# Altium PCB Autopilot_v0.PcbDoc
Units mm, origin at the board's own origin, x right, y up, seen from the top; angles counter-clockwise.
Board outline 100 x 60 mm, 4 copper layers (Top Layer, GROUND, POWER, Bottom Layer); 196 components, 216 nets, 937 pads, 0 vias.
Unrouted connection lines stored in the file: 617.
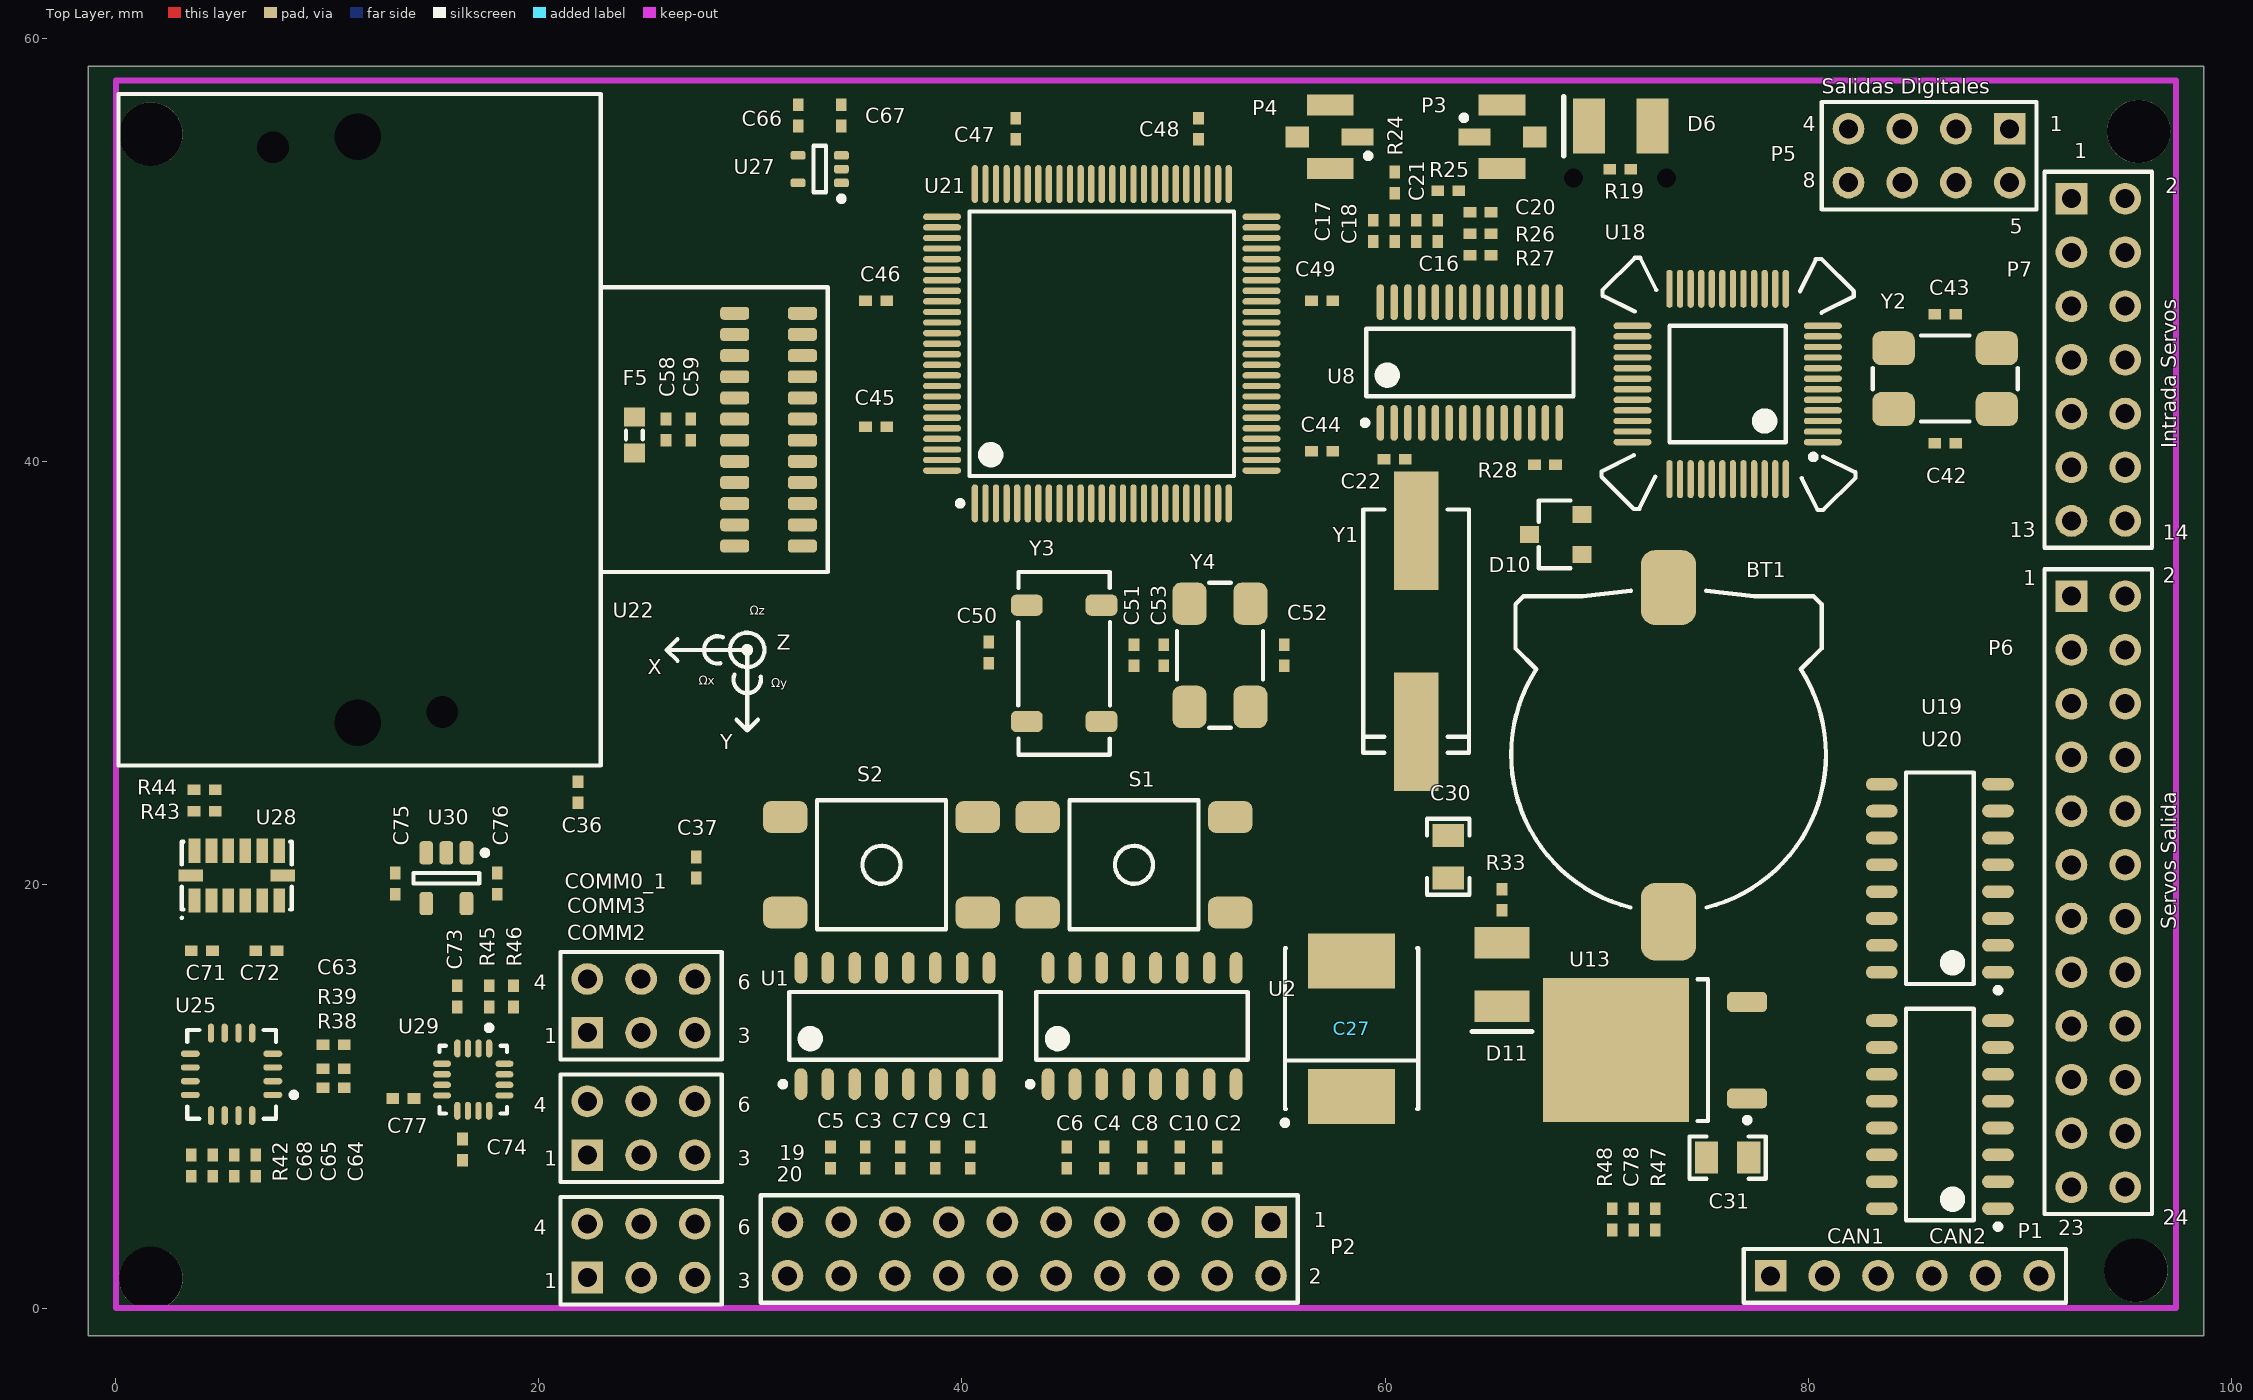
[diagram p0: Top Layer view]
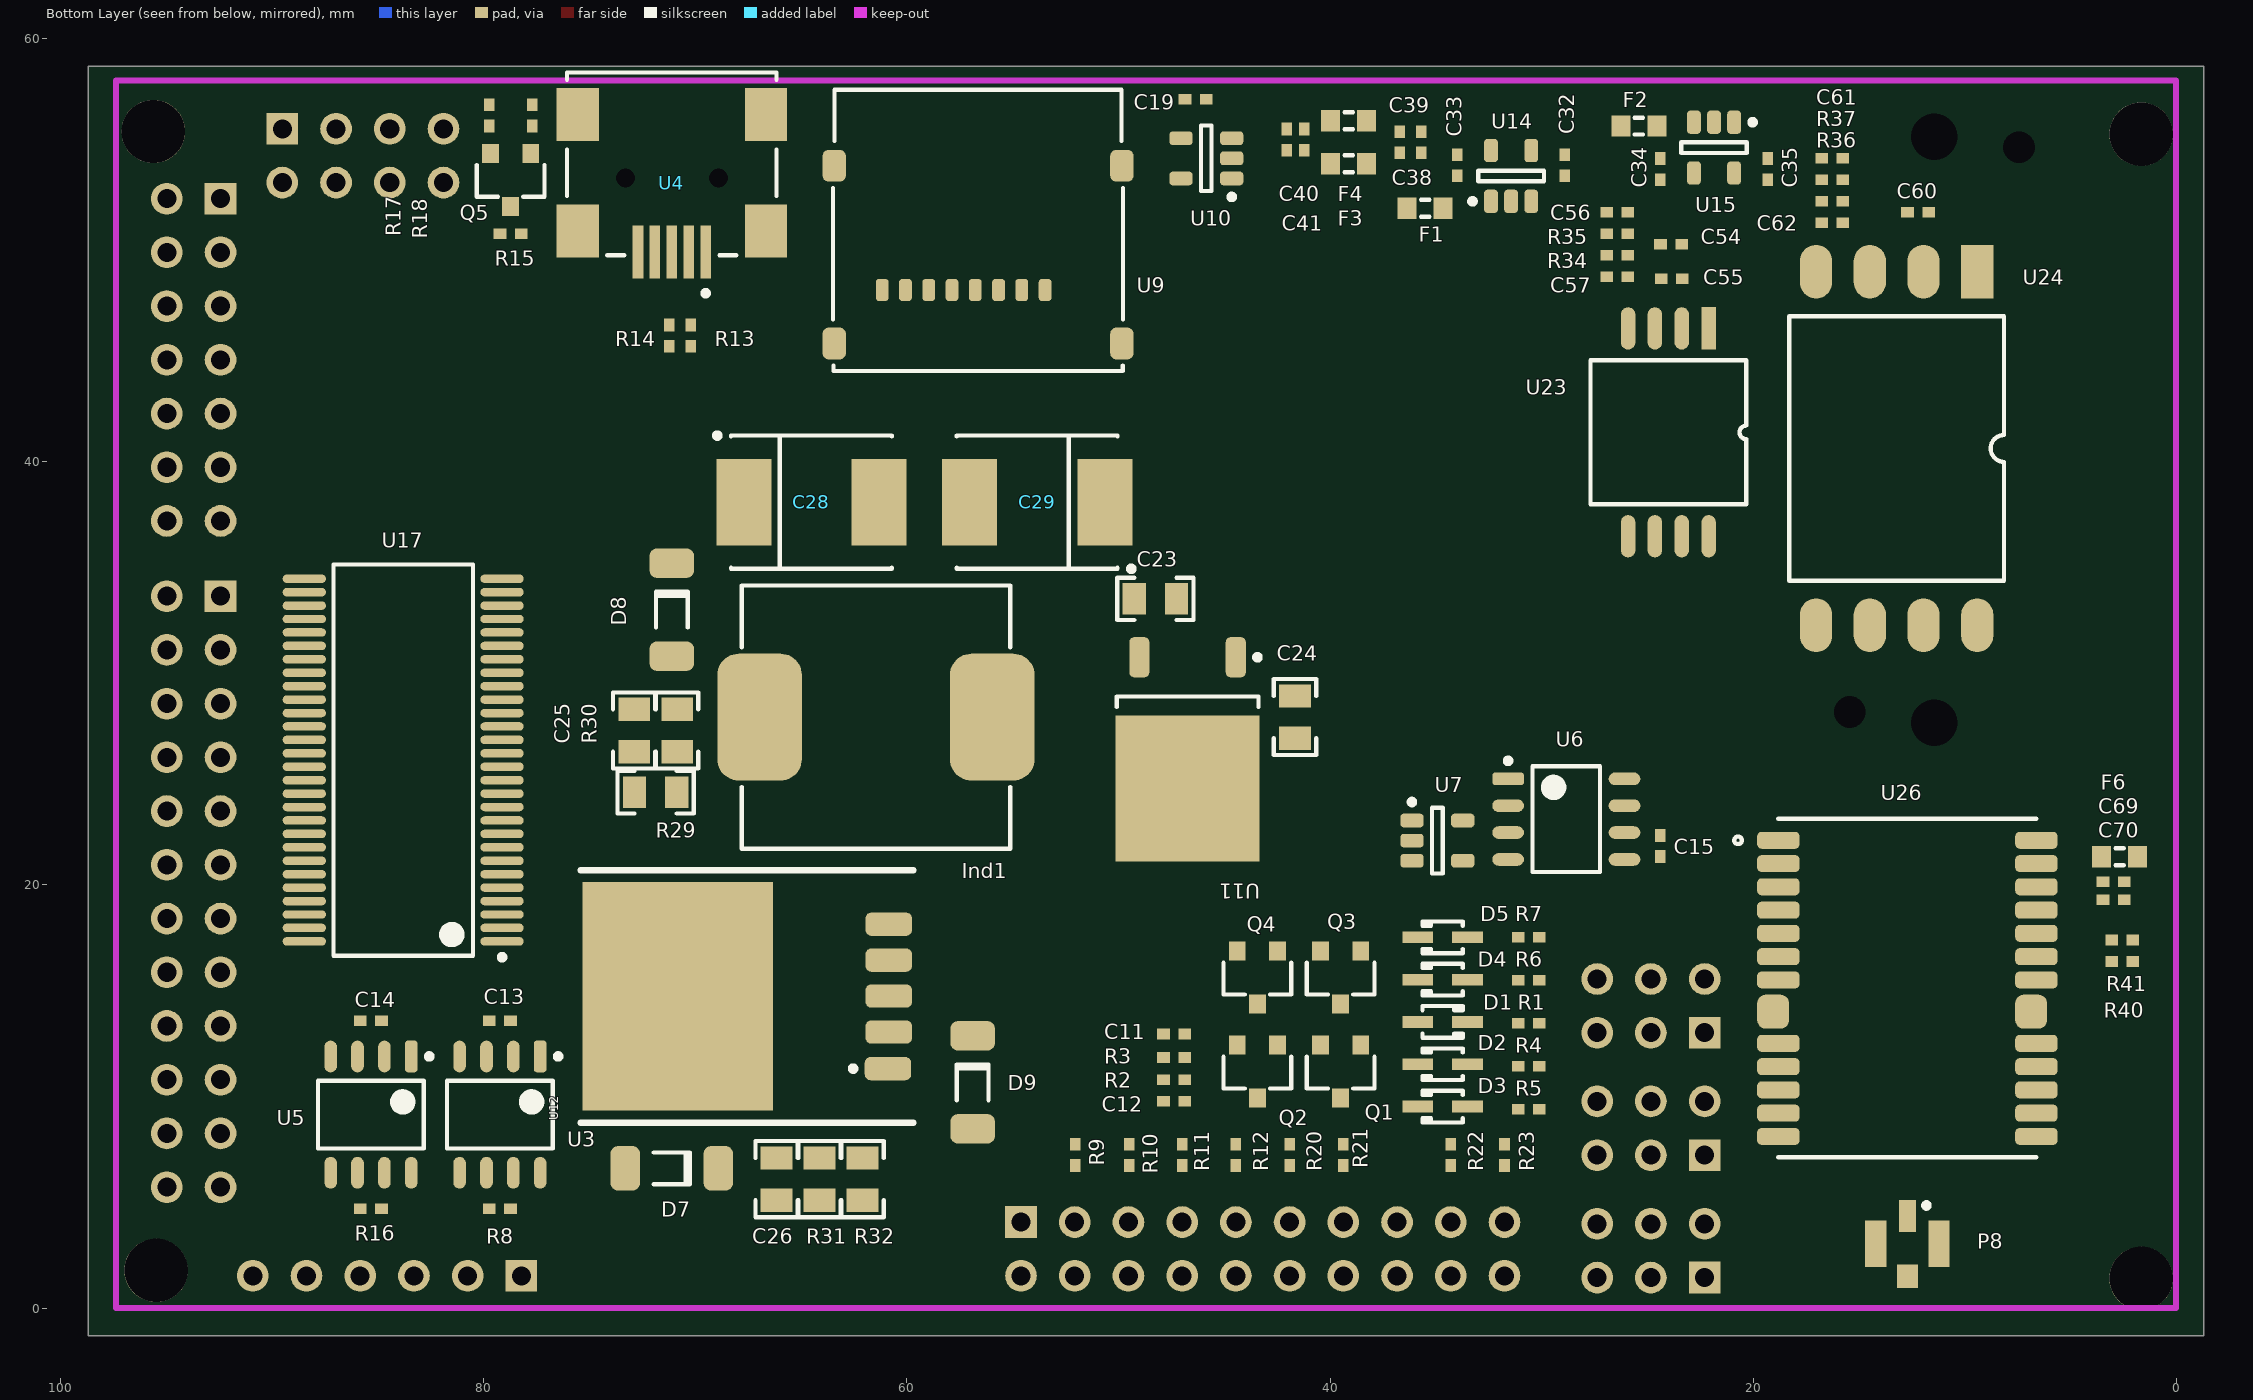
[diagram p1: Bottom Layer view, seen from below]
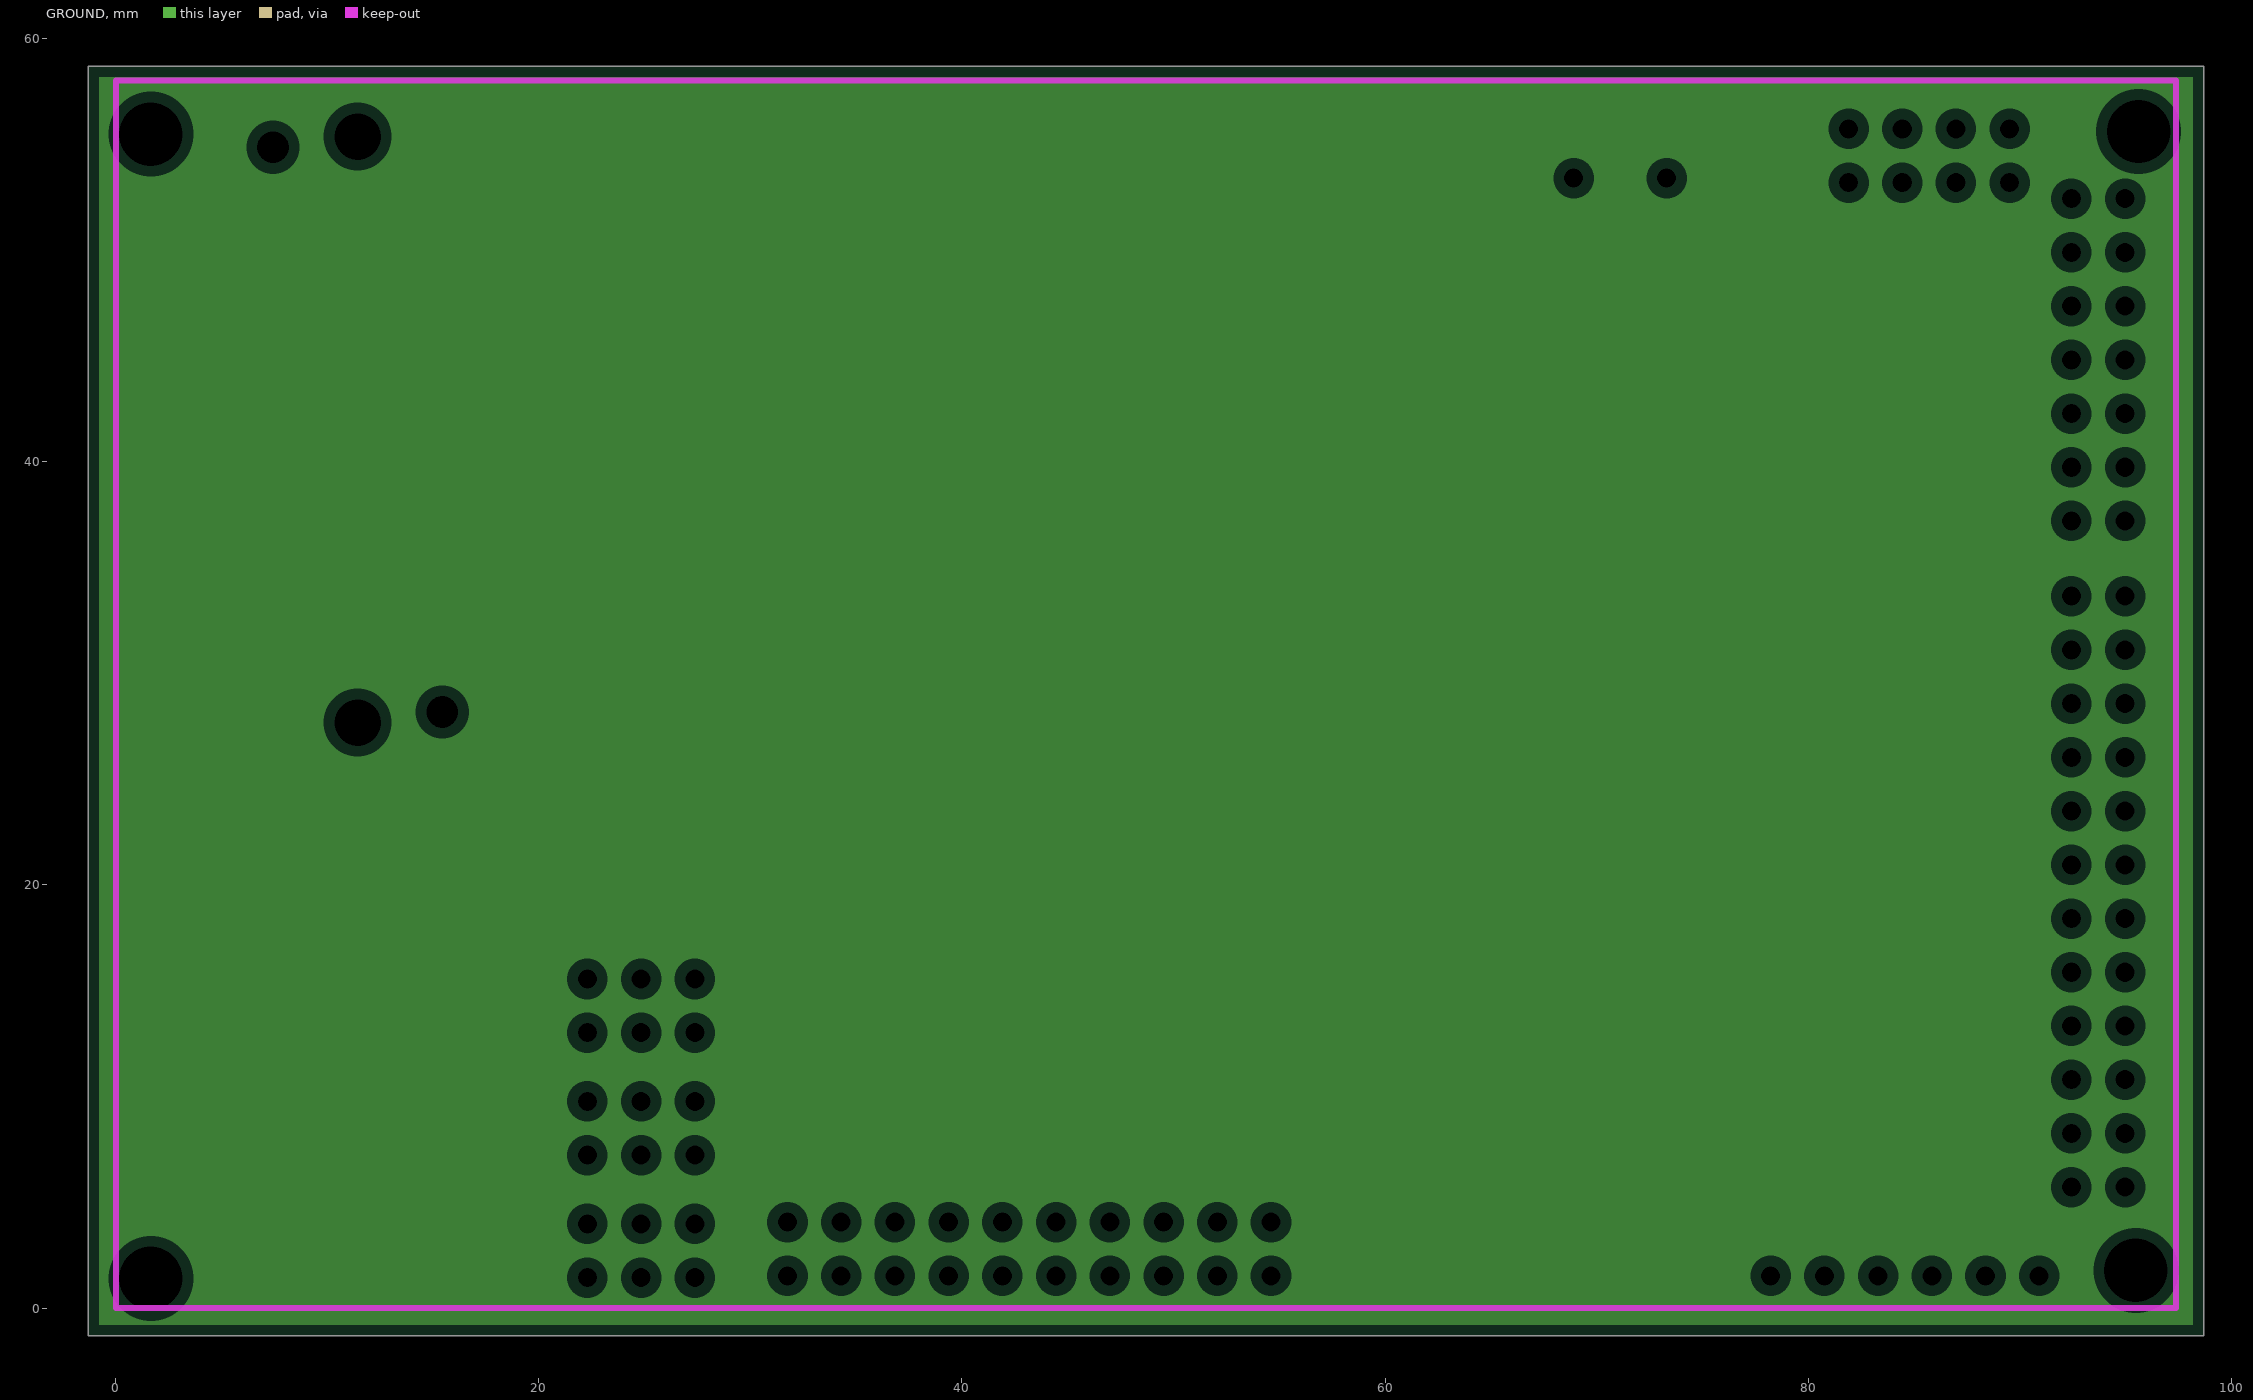
[diagram p2: GROUND, clearances drawn from the general rule]
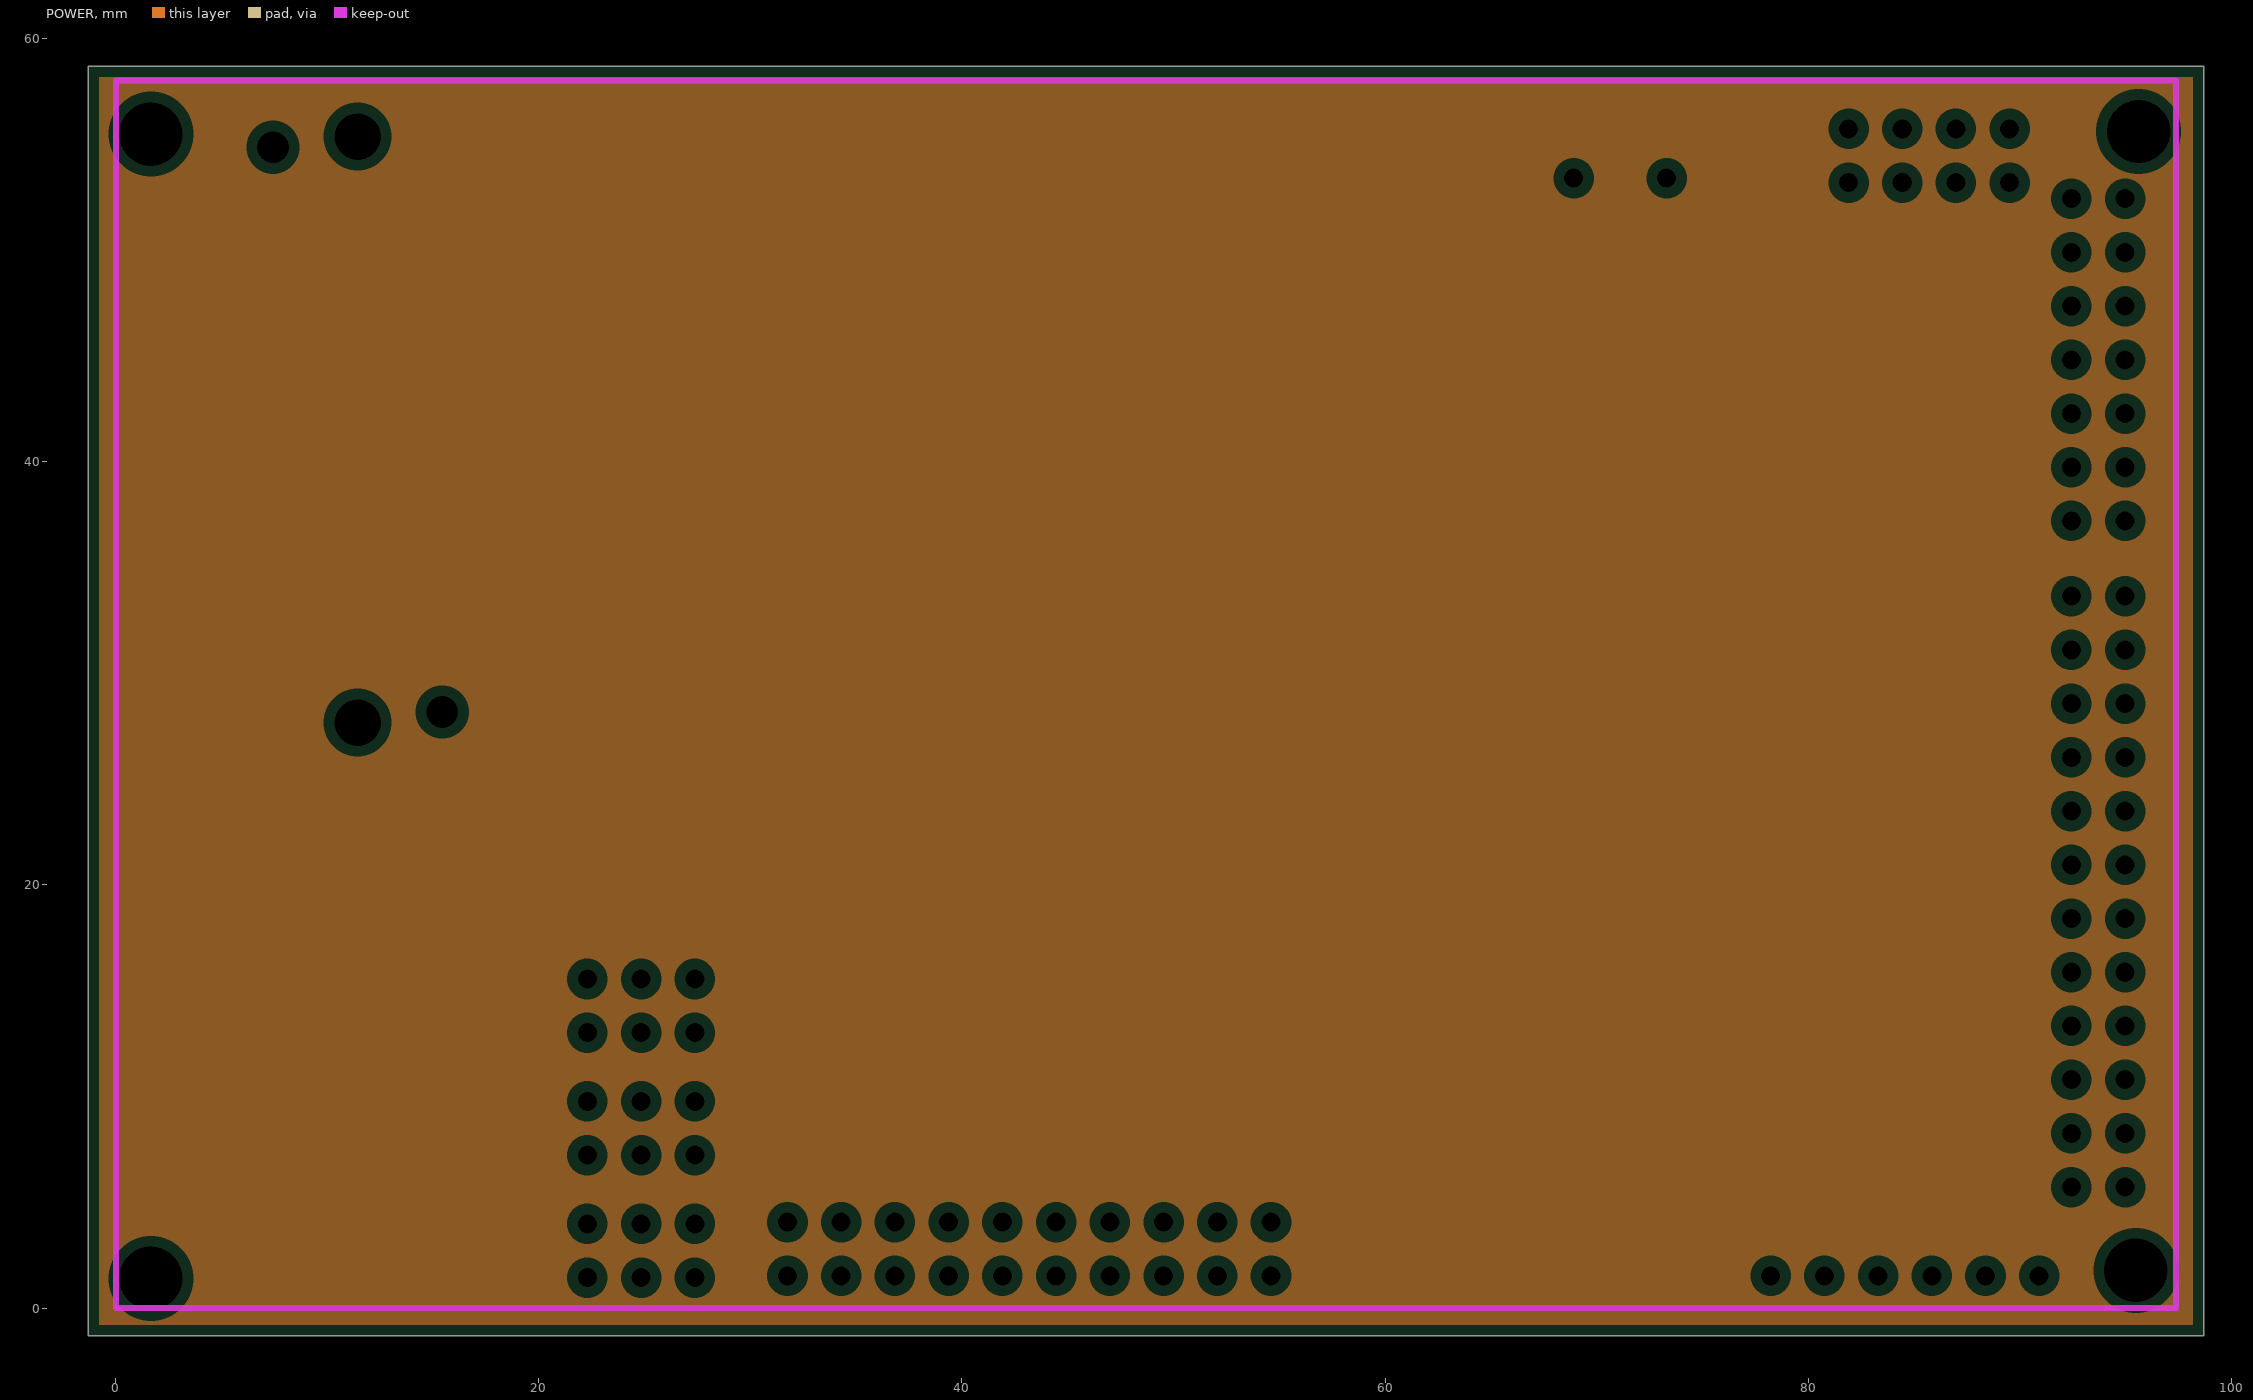
[diagram p3: POWER, clearances drawn from the general rule]

## Layer stack, top to bottom
Top Layer: signal copper 0.0356
Dielectric: core 0.32, FR-4, Dk 4.8
GROUND: plane copper 0.0356
Dielectric: prepreg 0.32, FR-4, Dk 4.8
POWER: plane copper 0.0356
Dielectric: core 0.32, FR-4, Dk 4.8
Bottom Layer: signal copper 0.0356

## Board outline
-1.3,-1.3 98.7,-1.3 98.7,58.7 -1.3,58.7

## Design rules (kind name [scope] priority, off if disabled: settings)
Clearance Clearance_HMC [(InComponent('U29') AND IsPad)] p1: gap=0.15
Clearance Clearance_ADXL [(InComponent('U28') AND IsPad) vs (InComponent('U28') AND IsPad)] p2: gap=0.15
Clearance "Pads LPC17" [(InComponent('U21') AND IsPad) vs (InComponent('U21') AND IsPad)] p3: gap=0.2
Clearance [All] p4: gap=0.2
PlaneClearance [All] p1: clearance=0.508
PlaneConnect [All] p1: planeconnectstyle=Direct reliefexpansion=0.508 reliefentries=4 reliefconductorwidth=0.254 reliefairgap=0.254
PolygonConnect [All] p1: connectstyle=Relief reliefconductorwidth=0.3 reliefentries=4 polygonreliefangle="90 Angle"
RoomDefinition Autopilot [InComponentClass('Components Class 1')] p1: confinementstyle=ConfineIn formatcopy=TRUE lockcomponents=TRUE outline -5.207,62.738 102.235,62.738 102.235,-4.826 -5.207,-4.826
RoutingVias [All] p1: holewidth=0.4 width=0.7 viastyle="Through Hole" minholewidth=0.4 minwidth=0.3 maxholewidth=1 maxwidth=3
SilkscreenOverComponentPads [All] p1: minsilkscreentomaskgap=0.254
SolderMaskExpansion [All] p1: expansion=0.102
Width [All] p1: maxlimit=3 minlimit=0.2 preferedwidth=1
25 further rules are at their usual default settings.

## Classes and differential pairs
component class Sensores: C54 C55 C56 C57 C58 C59 C60 C61 C62 C63 C64 C65 C66 C67 C68 C69 C70 C71 C72 C73 C74 C75 C76 C77 C78 F5 F6 P8 R34 R35 R36 R37 R38 R39 R40 R41 R42 R43 R44 R45 R46 R47 R48 U22 U23 U24 U25 U26 U27 U28 U29 U30
component class SensorDSC: C44 C45 C46 C47 C48 C49 C50 C51 C52 C53 U21 Y3 Y4
component class RC_Interface: C42 C43 P5 P6 P7 U17 U18 U19 U20 Y2
component class Power: BT1 C23 C24 C25 C26 C27 C28 C29 C30 C31 C32 C33 C34 C35 C36 C37 C38 C39 C40 C41 D7 D8 D9 D10 D11 F1 F2 F3 F4 Ind1 R29 R30 R31 R32 R33 U11 U12 U13 U14 U15 U16
component class "OSD y Memoria": C15 C16 C17 C18 C19 C20 C21 C22 P3 P4 R24 R25 R26 R27 R28 U6 U7 U8 U9 U10 Y1
component class Comunicaciones: C1 C2 C3 C4 C5 C6 C7 C8 C9 C10 C11 C12 C13 C14 COMM0_1 COMM2 COMM3 D1 D2 D3 D4 D5 D6 P1 P2 Q1 Q2 Q3 Q4 Q5 R1 R2 R3 R4 R5 R6 R7 R8 R9 R10 R11 R12 R13 R14 R15 R16 R17 R18 R19 R20 R21 R22 R23 S1 S2 U1 U2 U3 U4 U5

## Components (designator, comment, footprint, x,y, rotation, side; value= is the part's Value field where it differs from the comment)
BT1 "Battery" BC501SM 73.406,26.162 r90 top
C1 "Capacitor" CAP0402 40.386,7.112 r90 top
C2 "Capacitor" CAP0402 52.07,7.112 r90 top
C3 "Capacitor" CAP0402 35.433,7.112 r90 top
C4 "Capacitor" CAP0402 46.736,7.112 r90 top
C5 "Capacitor" CAP0402 33.782,7.112 r90 top
C6 "Capacitor" CAP0402 44.958,7.112 r90 top
C7 "Capacitor" CAP0402 37.084,7.112 r270 top
C8 "Capacitor" CAP0402 48.514,7.112 r90 top
C9 "Capacitor" CAP0402 38.735,7.112 r90 top
C10 "Capacitor" CAP0402 50.292,7.112 r90 top
C11 "Capacitor" CAP0402 47.371,12.954 r180 bottom
C12 "Capacitor" CAP0402 47.371,9.779 r180 bottom
C13 "Capacitor" CAP0402 79.248,13.589 r0 bottom
C14 "Capacitor" CAP0402 85.344,13.589 r0 bottom
C15 "Capacitor" CAP0402 24.384,21.844 r90 bottom
C16 "Capacitor" CAP0402 62.484,50.927 r90 top
C17 "Capacitor" CAP0402 59.436,50.927 r270 top
C18 "Capacitor" CAP0402 60.452,50.927 r270 top
C19 "Capacitor" CAP0402 46.355,57.15 r0 bottom
C20 "Capacitor" CAP0402 64.516,51.816 r180 top
C21 "Capacitor" CAP0402 61.468,50.927 r270 top
C22 "Capacitor" CAP0402 60.452,40.132 r0 top
C23 "Capacitor" 0805_CAP 48.26,33.528 r0 bottom
C24 "Capacitor" 0805_CAP 41.656,27.94 r90 bottom
C25 "Capacitor" 0805_CAP 72.898,27.305 r270 bottom
C26 "Capacitor" 0805_CAP 66.167,6.096 r90 bottom
C27 "Cap Pol2" TC7360-2924 58.42,13.208 r90 top
C28 "Cap Pol2" TC7360-2924 64.516,38.1 r180 bottom
C29 "Cap Pol2" TC7360-2924 53.848,38.1 r0 bottom
C30 "Capacitor" 0805_CAP 62.992,21.336 r90 top
C31 "Capacitor" 0805_CAP 76.2,7.112 r0 top
C32 "Capacitor" CAP0402 28.898,54.031 r270 bottom
C33 "Capacitor" CAP0402 33.978,54.031 r90 bottom
C34 "Capacitor" CAP0402 24.384,53.848 r90 bottom
C35 "Capacitor" CAP0402 19.304,53.848 r270 bottom
C36 "Capacitor" CAP0402 21.844,24.384 r270 top
C37 "Capacitor" CAP0402 27.432,20.828 r90 top
C38 "Capacitor" CAP0402 36.703,55.118 r270 bottom
C39 "Capacitor" CAP0402 35.687,55.118 r270 bottom
C40 "Capacitor" CAP0402 41.22,55.246 r270 bottom
C41 "Capacitor" CAP0402 42.037,55.245 r270 bottom
C42 "Capacitor" CAP0402 86.487,40.894 r180 top
C43 "Capacitor" CAP0402 86.487,46.99 r180 top
C44 "Capacitor" CAP0402 57.023,40.513 r180 top
C45 "Capacitor" CAP0402 35.941,41.656 r0 top
C46 "Capacitor" CAP0402 35.941,47.625 r0 top
C47 "Capacitor" CAP0402 42.545,55.753 r270 top
C48 "Capacitor" CAP0402 51.181,55.753 r270 top
C49 "Capacitor" CAP0402 57.023,47.625 r180 top
C50 "Capacitor" CAP0402 41.275,30.988 r90 top
C51 "Capacitor" CAP0402 48.133,30.861 r90 top
C52 "Capacitor" CAP0402 55.245,30.861 r270 top
C53 "Capacitor" CAP0402 49.53,30.861 r270 top
C54 "Capacitor" CAP0402 23.876,50.292 r180 bottom
C55 "Capacitor" CAP0402 23.846,48.671 r180 bottom
C56 "Capacitor" CAP0402 26.416,51.816 r0 bottom
C57 "Capacitor" CAP0402 26.416,48.768 r180 bottom
C58 "Capacitor" CAP0402 26.005,41.529 r90 top
C59 "Capacitor" CAP0402 27.178,41.529 r90 top
C60 "Capacitor" CAP0402 12.192,51.816 r180 bottom
C61 "Capacitor" CAP0402 16.256,54.356 r0 bottom
C62 "Capacitor" CAP0402 16.256,51.308 r180 bottom
C63 "Capacitor" CAP0402 10.287,12.446 r180 top
C64 "Capacitor" CAP0402 6.604,6.731 r90 top
C65 "Capacitor" CAP0402 5.588,6.731 r90 top
C66 "Capacitor" CAP0402 32.258,56.388 r270 top
C67 "Capacitor" CAP0402 34.29,56.388 r270 top
C68 "Capacitor" CAP0402 4.572,6.731 r90 top
C69 "Capacitor" CAP0402 2.951,20.163 r0 bottom
C70 "Capacitor" CAP0402 2.951,19.304 r0 bottom
C71 "Capacitor" CAP0402 4.064,16.891 r180 top
C72 "Capacitor" CAP0402 7.112,16.891 r0 top
C73 "Capacitor" CAP0402 16.129,14.732 r90 top
C74 "Capacitor" CAP0402 16.383,7.493 r270 top
C75 "Capacitor" CAP0402 13.208,20.066 r90 top
C76 "Capacitor" CAP0402 18.034,20.066 r270 top
C77 "Capacitor" CAP0402 13.589,9.906 r0 top
C78 "Capacitor" CAP0402 71.755,4.191 r90 top
COMM0_1 "AP_COMM" HDR2X3_CEN 22.288,13.016 r0 top
COMM2 "AP_COMM" HDR2X3_CEN 22.288,1.44 r0 top
COMM3 "AP_COMM" HDR2X3_CEN 22.288,7.228 r0 top
D1 "BAS316" SOD-323 34.671,13.526 r180 bottom
D2 "BAS316" SOD-323 34.671,11.525 r0 bottom
D3 "BAS316" SOD-323 34.671,9.525 r0 bottom
D4 "BAS316" SOD-323 34.671,15.526 r0 bottom
D5 "BAS316" SOD-323 34.671,17.526 r0 bottom
D6 "LED" PLCC-2Rojo 72.644,55.88 r90 top
D7 "PMEG3050EP" SOD128 71.12,6.604 r0 bottom
D8 "PMEG3050EP" SOD128 71.12,33.02 r270 bottom
D9 "PMEG3050EP" SOD128 56.896,10.668 r270 bottom
D10 "BAT54C" SOT23 68.072,36.576 r90 top
D11 "LED" PLCC-2Rojo 65.532,17.272 r180 top